# Altium PCB MIXR Input and Processing.PcbDoc (part 1 of 3) (continued)
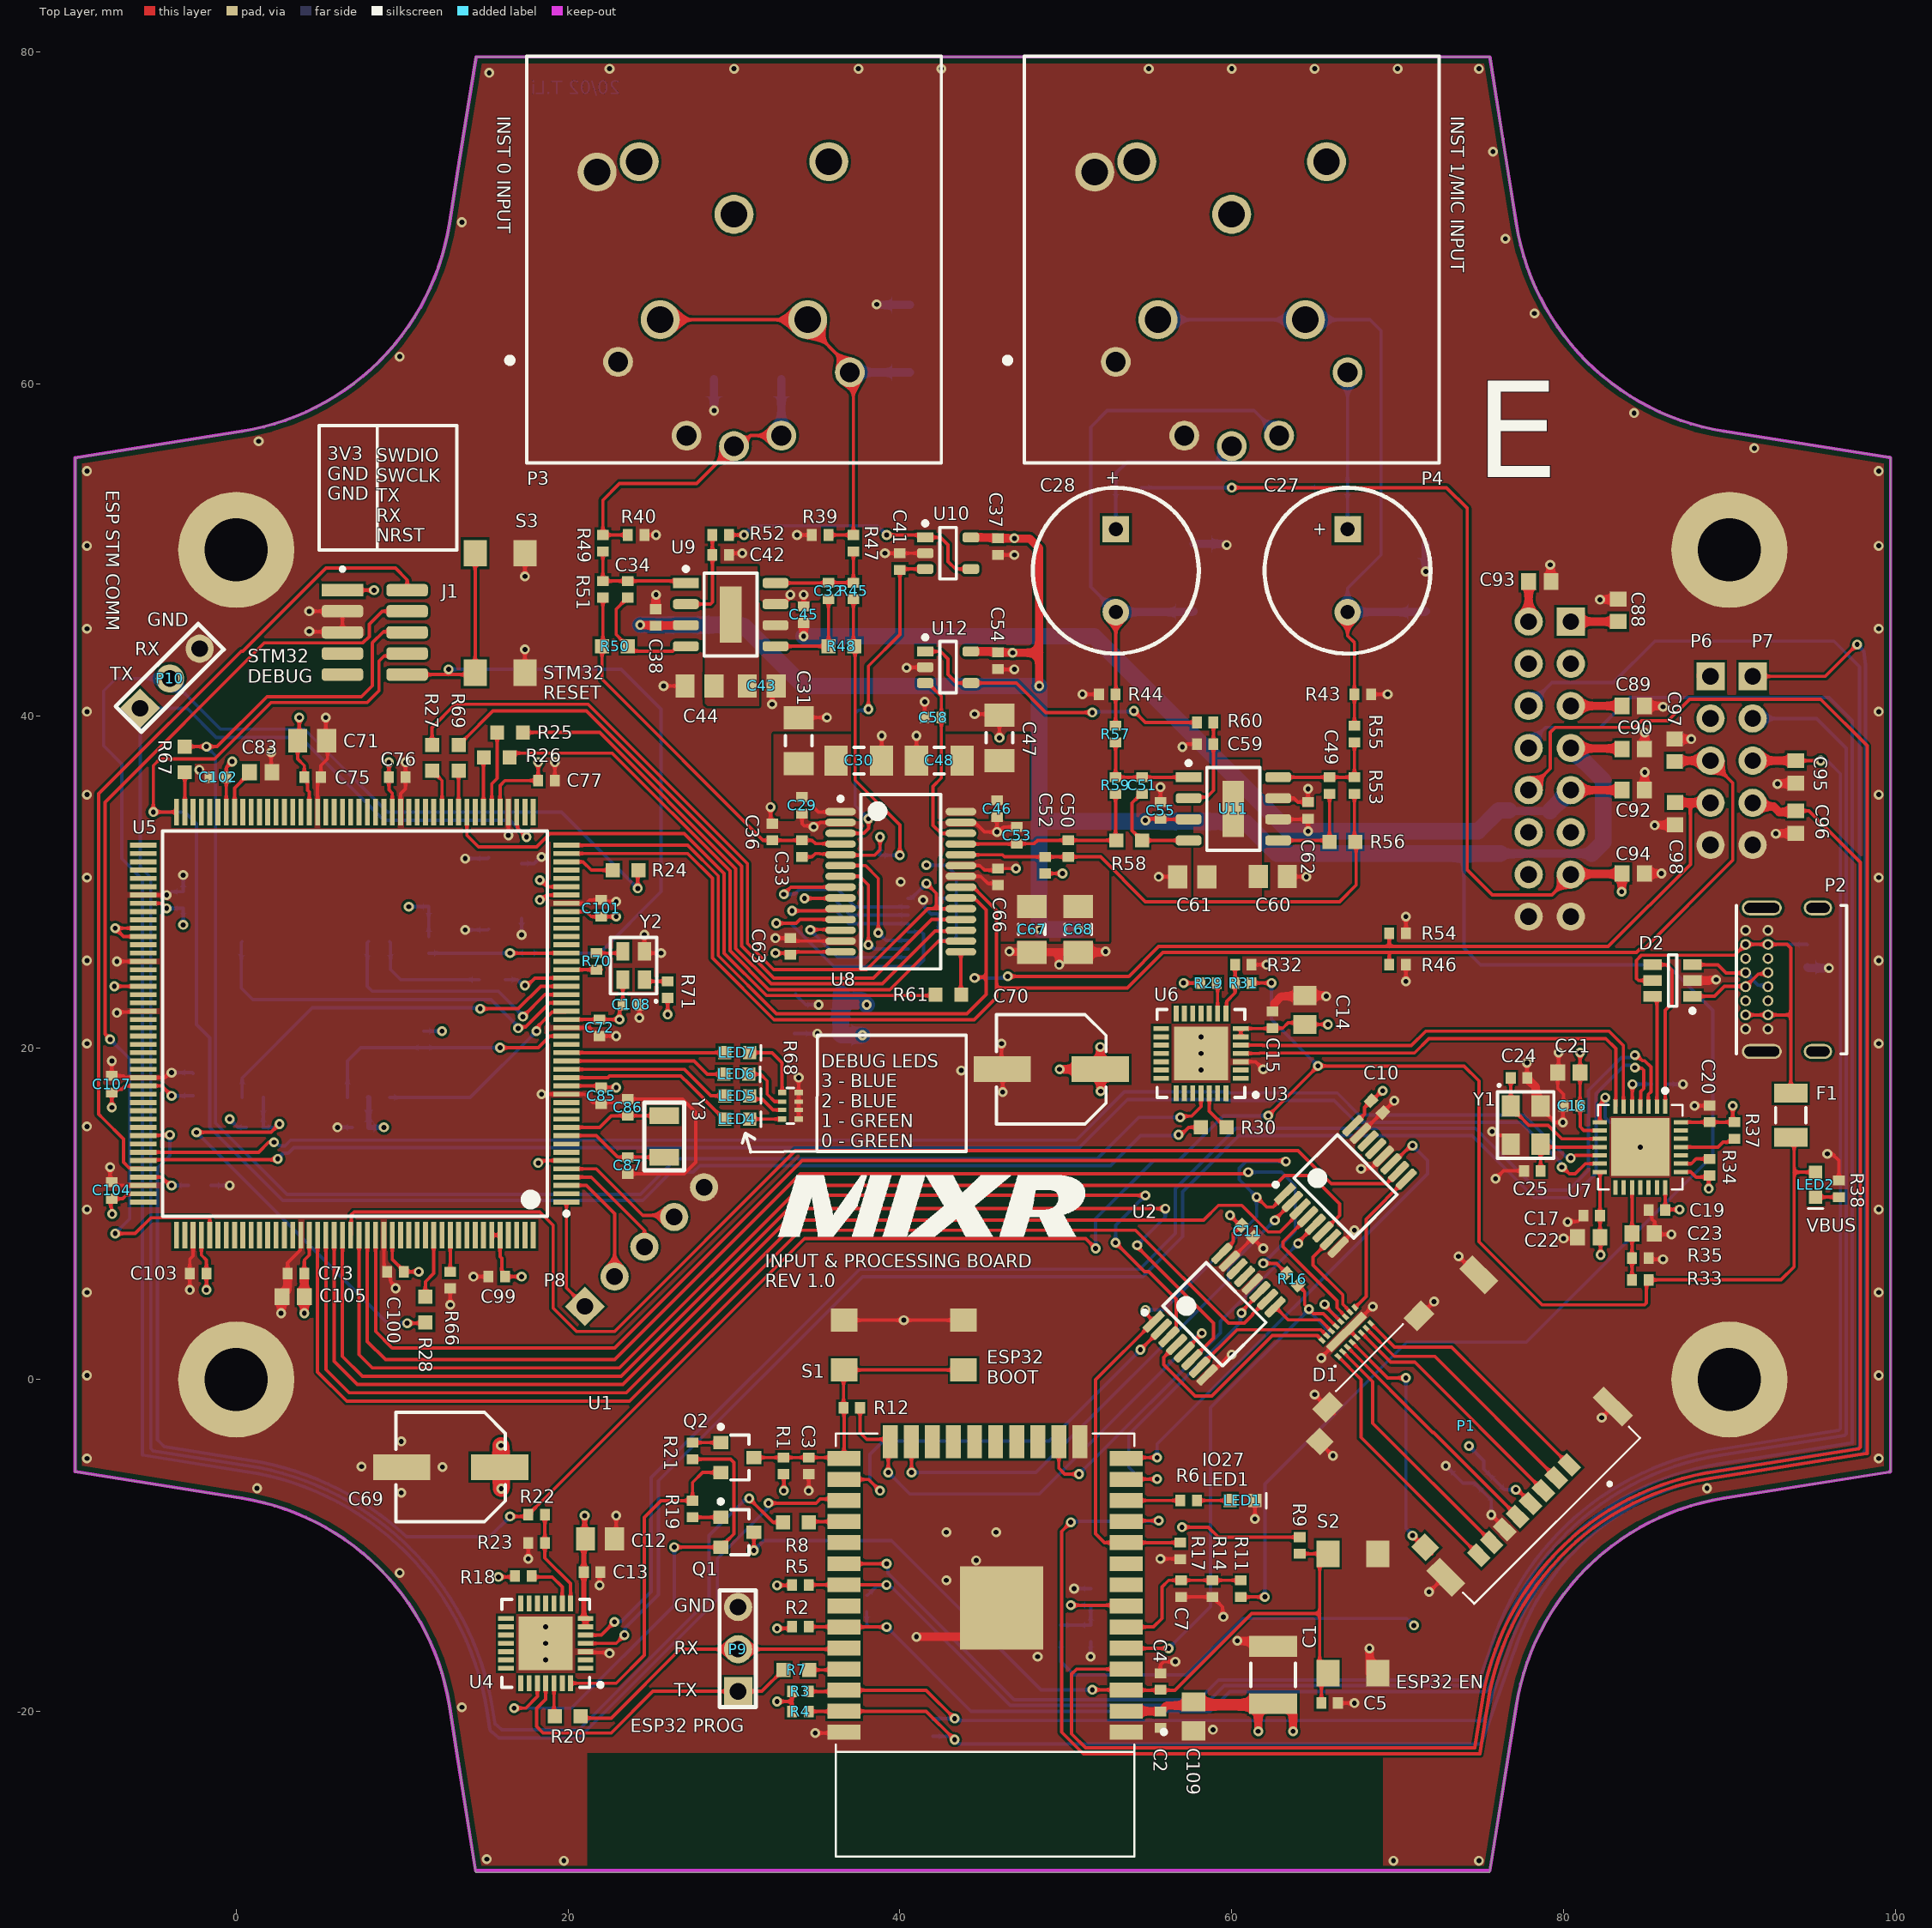
[diagram p0: Top Layer view]
## Components (designator, comment, footprint, x,y, rotation, side; value= is the part's Value field where it differs from the comment) (continued)
R6 "RES 4.7K OHM 1% 1/10W 0402" "RES 0402" 56.9,-7.29 r0 top
R7 "RES 22.1 OHM 1% 1/10W 0603" "RES, 0603" 33.75,-17.5 r0 top
R8 "RES 22.1 OHM 1% 1/10W 0603" "RES, 0603" 33.725,-8.6 r0 top
R9 "RES 10K OHM 1% 1/16W 0402" "RES 0402" 64.1,-9.5 r270 top
R10 "RES 523K OHM 1% 1/16W 0402" "RES 0402" 49.7,-15.8 r90 bottom
R11 "RES 22.1K OHM 1% 1/16W 0402" "RES 0402" 60.55,-13.1 r90 top
R12 "RES 0.0 OHM 1% 1/16W 0402" "RES 0402" 36.6,-1.7 r0 top
R13 "RES 22.1K OHM 1% 1/16W 0402" "RES 0402" 51.5,-14.8 r270 bottom
R14 "RES 22.1K OHM 1% 1/16W 0402" "RES 0402" 58.85,-12.1 r270 top
R15 "RES 10K OHM 1% 1/16W 0402" "RES 0402" 65.873,2.782 r45 bottom
R16 "RES 0.0 OHM 1% 1/16W 0402" "RES 0402" 63.293,6.407 r315 top
R17 "RES 10K OHM 1% 1/16W 0402" "RES 0402" 56.9,-10.83 r90 top
R18 "RES 1K OHM 0.1% 1/16W 0402" "RES 0402" 16.8,-11.85 r0 top
R19 "RES 10K OHM 1% 1/16W 0402" "RES 0402" 27.5,-7.3 r270 top
R20 "RES 22.1 OHM 1% 1/10W 0603" "RES, 0603" 19.975,-20.3 r0 top
R21 "RES 10K OHM 1% 1/16W 0402" "RES 0402" 27.5,-4.8 r90 top
R22 "RES 22.1K OHM 1% 1/16W 0402" "RES 0402" 17.6,-8.15 r0 top
R23 "RES 47.5K OHM 1% 1/16W 0402" "RES 0402" 18.6,-9.85 r180 top
R24 "RES 22.1 OHM 1% 1/10W 0603" "RES, 0603" 23.475,30.7 r180 top
R25 "RES 22.1 OHM 1% 1/10W 0603" "RES, 0603" 16.5,39 r180 top
R26 "RES 22.1 OHM 1% 1/10W 0603" "RES, 0603" 15.7,37.5 r180 top
R27 "RES 22.1 OHM 1% 1/10W 0603" "RES, 0603" 11.8,37.475 r270 top
R28 "RES 22.1 OHM 1% 1/10W 0603" "RES, 0603" 11.4,4.225 r90 top
R29 "RES 1K OHM 0.1% 1/16W 0402" "RES 0402" 58.1,23.9 r0 top
R30 "RES 22.1 OHM 1% 1/10W 0603" "RES, 0603" 58.925,15.2 r180 top
R31 "RES 22.1K OHM 1% 1/16W 0402" "RES 0402" 61.2,23.9 r180 top
R32 "RES 47.5K OHM 1% 1/16W 0402" "RES 0402" 60.2,25 r0 top
R33 "RES 10K OHM 1% 1/16W 0402" "RES 0402" 85.13,6.01 r180 top
R34 "RES 10K OHM 1% 1/16W 0402" "RES 0402" 88.8,12.3 r90 top
R35 "RES 47.5K OHM 1% 1/16W 0402" "RES 0402" 84.13,7.31 r0 top
R36 "RES 649 OHM 1% 1/16W 0402" "RES 0402" 83.53,15.51 r0 bottom
R37 "RES 10K OHM 1% 1/16W 0402" "RES 0402" 90.3,15.51 r270 top
R38 "RES 10K OHM 1% 1/16W 0402" "RES 0402" 96.6,11 r90 top
R39 "RES 4.7K OHM 1% 1/10W 0402" "RES 0402" 35.7,50.9 r180 top
R40 "RES 4.7K OHM 1% 1/10W 0402" "RES 0402" 23.6,50.9 r0 top
R41 "RES 6.81k OHM 0.1% 1/10W 0603" "RES, 0603" 66.21,53.75 r0 bottom
R42 "RES 6.81k OHM 0.1% 1/10W 0603" "RES, 0603" 53.79,53.75 r180 bottom
R43 "RES 4.7K OHM 1% 1/10W 0402" "RES 0402" 67.4,41.3 r0 top
R44 "RES 4.7K OHM 1% 1/10W 0402" "RES 0402" 53,41.3 r180 top
R45 "RES 1K OHM 0.1% 1/16W 0402" "RES 0402" 37.2,48.025 r270 top
R46 "RES 10K OHM 1% 1/16W 0402" "RES 0402" 69.5,25 r0 top
R47 "RES 270 OHM 0.1% 1/16W 0402" "RES 0402" 37.2,50.9 r270 top
R48 "RES 40.2 OHM 0.5% 1/10W 0603" "RES, 0603" 36.475,44.195 r0 top
R49 "RES 270 OHM 0.1% 1/16W 0402" "RES 0402" 22.1,50.9 r270 top
R50 "RES 40.2 OHM 0.5% 1/10W 0603" "RES, 0603" 22.825,44.195 r180 top
R51 "RES 1K OHM 0.1% 1/16W 0402" "RES 0402" 22.1,48.125 r270 top
R52 "RES 1K OHM 0.1% 1/16W 0402" "RES 0402" 28.7,50.9 r0 top
R53 "RES 1K OHM 0.1% 1/16W 0402" "RES 0402" 67.4,36.3 r270 top
R54 "RES 10K OHM 1% 1/16W 0402" "RES 0402" 69.5,26.9 r0 top
R55 "RES 270 OHM 0.1% 1/16W 0402" "RES 0402" 67.4,39.4 r270 top
R56 "RES 40.2 OHM 0.5% 1/10W 0603" "RES, 0603" 66.675,32.4 r0 top
R57 "RES 270 OHM 0.1% 1/16W 0402" "RES 0402" 53,39.4 r270 top
R58 "RES 40.2 OHM 0.5% 1/10W 0603" "RES, 0603" 53.825,32.49 r180 top
R59 "RES 1K OHM 0.1% 1/16W 0402" "RES 0402" 53,36.3 r270 top
R60 "RES 1K OHM 0.1% 1/16W 0402" "RES 0402" 58.9,39.6 r180 top
R61 "RES 22.1 OHM 1% 1/10W 0603" "RES, 0603" 42.925,23.2 r180 top
R62 "RES ARRAY 10K OHM 5% 8RES" "RES ARRAY, 8 POS 1506" 41.427,27.222 r0 bottom value=Value
R63 "RES 0.0 OHM 1% 1/16W 0402" "RES 0402" 38,-14 r90 bottom
R64 "RES 0.0 OHM 1% 1/16W 0402" "RES 0402" 42,-20.5 r270 bottom
R65 "RES 10K OHM 1% 1/16W 0402" "RES 0402" 11.6,26.7 r270 bottom
R66 "RES 10K OHM 1% 1/16W 0402" "RES 0402" 12.9,6.5 r270 top
R67 "RES 22.1 OHM 1% 1/10W 0603" "RES, 0603" -3.1,37.375 r270 top
R68 "RES ARRAY 510 OHM 5% 4RES" "RES ARRAY 4 POS 0804" 34.4,16.25 r0 top
R69 "RES 22.1 OHM 1% 1/10W 0603" "RES, 0603" 13.4,37.475 r270 top
R70 "RES 100 OHM 1% 1/16W 0402" "RES 0402" 21.7,25.7 r270 top
R71 "RES 10K OHM 1% 1/16W 0402" "RES 0402" 26,23 r90 top
R72 "RES 22.1 OHM 1% 1/10W 0603" "RES, 0603" 15.425,24.1 r180 bottom
R73 "RES 10K OHM 1% 1/16W 0402" "RES 0402" 0.6,15.2 r0 bottom
R74 "RES 10K OHM 1% 1/16W 0402" "RES 0402" 11.3,21 r270 bottom
S1 "SPST" "SW SPST-NO 0.05A 12V" 36.635,0.579 r0 top
S2 "SPST" "SW SPST-NO 0.05A 12V" 65.8,-10.5 r270 top
S3 "SPST" "SW SPST-NO 0.05A 12V" 14.4,49.8 r270 top
U1 "ESP32-WROOM-32D" "IC WIFI MODULE 32MBITS SPI FLASH" 45.135,-16 r180 top locked
U2 "IC MUX/DEMUX 4-BIT 1-OF-2 16-TSSOP" TSOP65P640X120-16N 58.96,3.939 r45 top
U3 "IC MUX/DEMUX 4-BIT 1-OF-2 16-TSSOP" TSOP65P640X120-16N 66.861,11.64 r45 top
U4 "IC BRIDGE USB TO UART 28QFN" QFN50P500X500X80_HS-29M 18.65,-15.9 r180 top
U5 "IC MCU STM32F769II 176-LQFP" TSQFP50P2600X2600X160-176M 7.15,21.45 r180 top locked
U6 "IC BRIDGE USB TO UART 28QFN" QFN50P500X500X80_HS-29M 58.15,19.655 r180 top
U7 "IC USB 2.0 HUB CONTROLLER 28QFN" QFN50P500X500X80-29N 86.13,16.445 r270 top
U8 "IC ADC/AUDIO 24BIT 216K 28SSOP" "IC ADC 24 BIT AUDIO 216 KHZ SSOP-28" 40.05,30 r0 top
U9 "LME49724" "IC OP AMP AUDIO LME49724 8-SOIC" 29.8,46.1 r0 top
U10 "IC OP AMP GEN PURPOSE RR 5.5MHZ SOT-23-5" "IC OP AMP GP RR 10MHZ SOT-23-5" 42.9,49.8 r0 top
U11 "LME49724" "IC OP AMP AUDIO LME49724 8-SOIC" 60.1,34.395 r0 top
U12 "IC OP AMP GEN PURPOSE RR 5.5MHZ SOT-23-5" "IC OP AMP GP RR 10MHZ SOT-23-5" 42.9,42.93 r0 top
U13 "IC FLASH NOR 512Mb SPI 166MHz 16-SOP" SOP127P1030X265-16N 4.8,21.7 r90 bottom
Y1 "12 MHz" "CRYSTAL ECX-32" 77.72,15.33 r270 top
Y2 "CRYSTAL 25 MHz OSC XO CMOS SMD" "CRYSTAL 25 MHz OSC XO CMOS SMD" 24.6,24.1 r90 top
Y3 "CRYSTAL 32.7680 KHZ 6PF 2-SMD" "CRYSTAL 32.7680 KHZ 6PF 2-SMD" 25.8,15.9 r270 top

## Footprints (in the part's own frame and the unit in brackets; to place one, negate y for a bottom-side part, rotate by r counter-clockwise, add the part's x,y. Pads: shape width x height; smd on the part's side, far side on the other; paste and mask are expansions set on the pad)
"CAP 0402" [mm]
  rect 0.6x0.7 smd: 1(0,0) 2(1,0)
  body extent 0,-0.25 1,0.27, height 0.51
"CAP ALUM 6.3MM RADIAL SMD" [mm] "Aluminum Electrolytic Capacitor, Body 6.50x6.50x5.50mm, IPC Low Density"
  rect 3.45x1.55 smd: 1(-2.95,0) 2(2.95,0)
  silkscreen extent -3.3,-3.3 3.3,3.3, body extent -3.9,-3.3 3.9,3.3, height 5.5
"CAP ALUM RADIAL 10x20" [mm]
  rect 1.6x1.6 hole 0.85: 1(0,0)
  round 1.6 hole 0.85: 2(5,0)
  silkscreen extent -2.5,-5 7.5,5, body extent -2.5,-5 7.5,5, height 20
"CAP, 0603" [mm] "Chip Capacitor, 2-Leads, Body 1.60x0.81mm, IPC Medium Density"
  rect 0.9x1 smd mask+0.076: 1(-0.675,0) 2(0.675,0)
  body extent -0.87,-0.48 0.87,0.48, height 0.9
"CAP, 0805" [mm] "Chip Capacitor, 2-Leads, Body 2.00x1.25mm, IPC Medium Density"
  rect 1.15x1.4 smd: 1(-0.875,0) 2(0.875,0)
  body extent -1,-0.62 1,0.62, height 1.25
"CAP, 1206" [mm] "Chip Capacitor, 2-Leads, Body 3.20x1.60mm, IPC Medium Density"
  rect 1.4x1.8 smd: 1(-1.375,0) 2(1.375,0)
  silkscreen extent -0.3,-0.8 0.3,0.8, body extent -1.68,-0.87 1.67,0.87, height 1.8
"CAP, 1210" [mm] "Chip Capacitor, 2-Leads, Body 3.20x2.50mm, IPC Low Density"
  rect 1.25x2.9 smd: 1(-1.725,0) 2(1.725,0)
  silkscreen extent -0.7,-1.35 0.7,1.35, body extent -1.8,-1.4 1.8,1.4, height 2.8
"CONN MICRO-SD HOLDER MOLEX 503182-1852" [mm]
  rect 0.8x1.24 smd: 1(-2.9,6.355) 2(-1.8,6.355) 3(-0.7,6.355) 4(0.4,6.355) 5(1.5,6.355) 6(2.6,6.355) 7(3.7,6.355) 8(4.8,6.355)
  rect 1.16x1.25 smd: 9(6.74,3.725)
  rect 1.16x1.2 smd: 10(6.74,-5.275)
  rect 0.95x2.5 smd: 11(-7.245,5.725)
  rect 1.15x2.2 smd: 11(-7.145,-5.605) 11(7.145,5.875)
  rect 1.5x1.15 smd: 11(-2.84,-6.4) 11(4.94,-6.4)
  silkscreen extent -7.07,-6.73 7.07,8.99, body extent -7.47,-6.5 7.47,8.45, height 1.43
"CONN RECPT USB2.0 TYPE C 16-POS" [mm] "USB 2.0 Type C Receptacle Dip Type, PCB Top Mount"
  round 0.65 hole 0.4: A1(-2.975,4.025) A4(-2.125,4.025) A5(-1.275,4.025) A6(-0.425,4.025) A7(0.425,4.025) A8(1.275,4.025) A9(2.125,4.025) A12(2.975,4.025) B1(2.975,2.675) B4(2.125,2.675) B5(1.275,2.675) B6(0.425,2.675) B7(-0.425,2.675) B8(-1.275,2.675) B9(-2.125,2.675) B12(-2.975,2.675)
  oval 0.9x2.4 hole 0.6 slot 2.1 at 90 deg: P1(-4.325,3.045) P2(4.325,3.045)
  oval 0.9x1.7 hole 0.6 slot 1.4 at 90 deg: P3(4.325,-0.335) P4(-4.325,-0.335)
  silkscreen extent -4.47,-2.07 4.47,4.58, body extent -4.51,-4.56 4.52,4.61, height 3.46
"CONN XLR-TRS COMBO 3 POLE" [mm]
  round 1.8 hole 1.2: 1(-6.985,-18.415) 2(6.985,-19.05) 3(0,-23.495) 4(-2.858,-22.86) 5(2.857,-22.86)
  round 2.35 hole 1.6: 6(-4.445,-15.875) 7(4.445,-15.875) 8(-8.255,-6.985) 9(-5.715,-6.35) 10(0,-9.525) 11(5.715,-6.35)
  silkscreen extent -13.65,-24.5 12.5,0, body extent -12.3,-24.8 12.7,8.05, height 29.12
"CONN, 3POS 0.100\" Header, 1 ROW" [mm] "Connector, 3 position 0.1\" (2.54mm) Through Hole Generic Header"
  rect 1.7x1.7 hole 1: 1(0,0)
  round 1.7 hole 1: 2(2.54,0) 3(5.08,0)
  silkscreen extent -0.95,-1.06 6.08,1.12
"CONN, 5POS 1.23\" 0.100\" MALE Header" [mm]
  rect 1.7x1.7 hole 1: 1(0,0)
  round 1.7 hole 1: 2(2.54,0) 3(5.08,0) 4(7.62,0) 5(10.16,0)
  body extent -1.4,-1.27 11.43,1.27, height 28.45
"CONN, 10POS 0.05\" Debug Header" [mm] "Amphenol 10 Positions Header Connector 0.050\" (1.27mm) Surface Mount Gold"
  rect 0.75x2.5 smd: 1(0,0)
  rrect50% 0.75x2.5 smd: 2(0,3.9) 3(1.27,0) 4(1.27,3.9) 5(2.54,0) 6(2.54,3.9) 7(3.81,0) 8(3.81,3.9) 9(5.08,0) 10(5.08,3.9)
  silkscreen extent -1.37,-0.1 -1.17,0.1, body extent -0.63,-0.84 5.72,4.66, height 4.5
"CONN, 16POS 0.100\" 0.73\" MALE" [mm]
  rect 1.7x1.7 hole 1: 1(0,0)
  round 1.7 hole 1: 2(2.54,0) 3(5.08,0) 4(7.62,0) 5(10.16,0) 6(12.7,0) 7(15.24,0) 8(17.78,0) 9(17.78,2.54) 10(15.24,2.54) 11(12.7,2.54) 12(10.16,2.54) 13(7.62,2.54) 14(5.08,2.54) 15(2.54,2.54) 16(0,2.54)
  body extent -1.27,-1.27 19.05,3.81, height 15.75
"CRYSTAL 25 MHz OSC XO CMOS SMD" [mm]
  rect 1.1x0.8 smd: 1(0,0) 2(1.7,0) 3(1.7,1.3) 4(0,1.3)
  silkscreen extent -1.35,-0.75 2.55,2.05, body extent -0.4,-0.35 2.1,1.65, height 0.5
"CRYSTAL 32.7680 KHZ 6PF 2-SMD" [mm]
  rect 1x1.8 smd: 1(0,0) 2(2.5,0)
  silkscreen extent -0.8,-1.2 3.3,1.2, body extent -0.35,-0.75 2.85,0.75, height 0.8
"CRYSTAL ECX-32" [mm]
  rect 1.3x1.1 smd: 1(-1.15,-0.9) 2(1.15,-0.9) 3(1.15,0.9) 4(-1.15,0.9)
  silkscreen extent -2.45,-1.7 2,1.7, body extent -1.6,-1.24 1.6,1.24, height 0.8
"DO-214AA Diode - BI" [mil] "Zener Diode 16V 5W SMBJ5353B-TP"
  rect 70x85 smd: 1(0,0) 2(160,0)
  body extent -21,-60 187,55, height 95
"FB 0603" [mm] "Ferrite Bead, 0603"
  rect 0.6x0.8 smd: 1(-0.7,0) 2(0.7,0)
  silkscreen extent -0.1,-0.3 0.1,0.3, body extent -0.72,-0.48 0.73,0.47, height 0.95
"FUSE LITTLEFUSE 0466 1206" [mm]
  rect 1.14x2.03 smd: 1(-1.33,0) 2(1.33,0)
  silkscreen extent -0.45,-0.91 0.45,0.91, body extent -1.65,-0.82 1.65,0.82, height 0.6
"IC ADC 24 BIT AUDIO 216 KHZ SSOP-28" [mm] "SOP, 28-Leads, Body 10.20x5.30mm, Pitch 0.65mm, IPC Medium Density"
  oval 1.85x0.45 smd: 1(-3.625,4.225) 2(-3.625,3.575) 3(-3.625,2.925) 4(-3.625,2.275) 5(-3.625,1.625) 6(-3.625,0.975) 7(-3.625,0.325) 8(-3.625,-0.325) 9(-3.625,-0.975) 10(-3.625,-1.625) 11(-3.625,-2.275) 12(-3.625,-2.925) 13(-3.625,-3.575) 14(-3.625,-4.225) 15(3.625,-4.225) 16(3.625,-3.575) 17(3.625,-2.925) 18(3.625,-2.275) 19(3.625,-1.625) 20(3.625,-0.975) 21(3.625,-0.325) 22(3.625,0.325) 23(3.625,0.975) 24(3.625,1.625) 25(3.625,2.275) 26(3.625,2.925) 27(3.625,3.575) 28(3.625,4.225)
  silkscreen extent -3.75,-5.25 2.4,5.25, body extent -3.9,-5.25 3.9,5.25, height 2
"IC OP AMP AUDIO LME49724 8-SOIC" [mm]
  rect 1.55x0.6 smd: 1(-2.7,1.905)
  rrect50% 1.55x0.6 smd: 2(-2.7,0.635) 3(-2.7,-0.635) 4(-2.7,-1.905) 5(2.7,-1.905) 6(2.7,-0.635) 7(2.7,0.635) 8(2.7,1.905)
  rect 1.3x3.4 smd: 9(0,0)
  silkscreen extent -2.82,-2.5 1.6,2.88, body extent -3,-2.5 3,2.5, height 1.7
"IC OP AMP GP RR 10MHZ SOT-23-5" [mm] "SOT23, 5-Leads, Body 2.90x2.80mm, Pitch 0.95mm, IPC Medium Density"
  rect 1x0.6 smd: 1(-1.375,0.95)
  rrect50% 1x0.6 smd: 2(-1.375,0) 3(-1.375,-0.95) 4(1.375,-0.95) 5(1.375,0.95)
  silkscreen extent -1.5,-1.55 0.5,1.92, body extent -1.5,-1.53 1.5,1.53, height 1.45
"IC WIFI MODULE 32MBITS SPI FLASH" [mm]
  rect 2x0.9 smd: 1(-8.5,5.26) 2(-8.5,3.99) 3(-8.5,2.72) 4(-8.5,1.45) 5(-8.5,0.18) 6(-8.5,-1.09) 7(-8.5,-2.36) 8(-8.5,-3.63) 9(-8.5,-4.9) 10(-8.5,-6.17) 11(-8.5,-7.44) 12(-8.5,-8.71) 13(-8.5,-9.98) 14(-8.5,-11.25) 25(8.5,-11.25) 26(8.5,-9.98) 27(8.5,-8.71) 28(8.5,-7.44) 29(8.5,-6.17) 30(8.5,-4.9) 31(8.5,-3.63) 32(8.5,-2.36) 33(8.5,-1.09) 34(8.5,0.18) 35(8.5,1.45) 36(8.5,2.72) 37(8.5,3.99) 38(8.5,5.26)
  rect 0.9x2 smd: 15(-5.715,-12.25) 16(-4.445,-12.25) 17(-3.175,-12.25) 18(-1.905,-12.25) 19(-0.635,-12.25) 20(0.635,-12.25) 21(1.905,-12.25) 22(3.175,-12.25) 23(4.445,-12.25) 24(5.715,-12.25)
  rect 5x5 smd: 39(-1,-2.24)
  silkscreen extent -10.88,-12.75 9,12.75, body extent -9,-12.75 9,12.75, height 3.25
LED_0603 [mm]
  rect 0.8x0.8 smd: 1(-0.05,0.01) 2(1.45,0.01)
  silkscreen extent 2.13,-0.46 2.13,0.45, body extent -0.09,-0.39 1.51,0.41, height 0.8
"MOSFET N-CH 30V 6.2A 0.9W SOT-23" [mm] "SOT23, 3-Leads, Body 2.90x2.40mm, Pitch 0.90mm, IPC Medium Density"
  rect 0.9x0.8 smd: 1(-1,0.9) 2(-1,-0.9) 3(1,0)
  silkscreen extent -1.12,-1.35 0.7,1.97, body extent -1.25,-1.5 1.25,1.5, height 1.1
QFN0P135X330X55_HS-17M [mm] "QFN, 16-Leads, Body 1.35x3.30mm, Pitch 0.00mm/0.40mm, Thermal Pad 0.50x3.00mm, IPC Low Density"
  rect 0.4x0.25 smd: 1(-0.675,1.4) 2(-0.675,1) 3(-0.675,0.6) 4(-0.675,0.2) 5(-0.675,-0.2) 6(-0.675,-0.6) 7(-0.675,-1) 8(-0.675,-1.4) 9(0.675,-1.4) 10(0.675,-1) 11(0.675,-0.6) 12(0.675,-0.2) 13(0.675,0.2) 14(0.675,0.6) 15(0.675,1) 16(0.675,1.4)
  rect 0.5x3 smd: 17(0,0)
  silkscreen extent -1.02,1.9 -0.93,2, body extent -0.68,-1.65 0.68,1.65, height 0.55
QFN50P500X500X80-29N [mm]
  rect 0.86x0.26 smd: 1(0,0) 2(0,-0.5) 3(0,-1) 4(0,-1.5) 5(0,-2) 6(0,-2.5) 7(0,-3) 15(4.87,-3) 16(4.87,-2.5) 17(4.87,-2) 18(4.87,-1.5) 19(4.87,-1) 20(4.87,-0.5) 21(4.87,0)
  rect 0.26x0.86 smd: 8(0.935,-3.935) 9(1.435,-3.935) 10(1.935,-3.935) 11(2.435,-3.935) 12(2.935,-3.935) 13(3.435,-3.935) 14(3.935,-3.935) 22(3.935,0.935) 23(3.435,0.935) 24(2.935,0.935) 25(2.435,0.935) 26(1.935,0.935) 27(1.435,0.935) 28(0.935,0.935)
  rect 3.5x3.5 smd: 29(2.435,-1.5)
  silkscreen extent -1.06,-4.05 4.98,1.05, body extent -0.11,-4.06 5,1.05, height 0.81
QFN50P500X500X80_HS-29M [mm] "QFN, 28-Leads, Body 5.00x5.00mm, Pitch 0.50mm, Thermal Pad 3.25x3.25mm, IPC Low Density"
  rect 0.95x0.3 smd: 1(-2.4,1.5) 2(-2.4,1) 3(-2.4,0.5) 4(-2.4,0) 5(-2.4,-0.5) 6(-2.4,-1) 7(-2.4,-1.5) 15(2.4,-1.5) 16(2.4,-1) 17(2.4,-0.5) 18(2.4,0) 19(2.4,0.5) 20(2.4,1) 21(2.4,1.5)
  rect 0.3x0.95 smd: 8(-1.5,-2.4) 9(-1,-2.4) 10(-0.5,-2.4) 11(0,-2.4) 12(0.5,-2.4) 13(1,-2.4) 14(1.5,-2.4) 22(1.5,2.4) 23(1,2.4) 24(0.5,2.4) 25(0,2.4) 26(-0.5,2.4) 27(-1,2.4) 28(-1.5,2.4)
  rect 3.25x3.25 smd: 29(0,0)
  silkscreen extent -3.43,-2.65 2.65,2.65, body extent -2.5,-2.5 2.5,2.5, height 0.8
"RES 0402" [mm]
  rect 0.6x0.7 smd: 1(0,0) 2(1,0)
  body extent -0.05,-0.25 1.05,0.25, height 0.32
"RES ARRAY 4 POS 0804" [mm] "Panasonic Electronic Components EXB-N8V511JX"
  rect 0.5x0.35 smd: 1(-1.5,1.05) 4(-1.5,-0.55) 5(-0.5,-0.55) 8(-0.5,1.05)
  rect 0.5x0.25 smd: 2(-1.5,0.5) 3(-1.5,0) 6(-0.5,0) 7(-0.5,0.5)
  silkscreen extent -1.22,-0.82 -0.78,1.33, body extent -1.5,-0.75 -0.5,1.25, height 0.36
"RES ARRAY, 8 POS 1506" [mil]
  rect 30x14 smd: 1(-36.5,70) 2(-36.5,50) 3(-36.5,30) 4(-36.5,10) 5(-36.5,-10) 6(-36.5,-30) 7(-36.5,-50) 8(-36.5,-70) 9(36.5,-70) 10(36.5,-50) 11(36.5,-30) 12(36.5,-10) 13(36.5,10) 14(36.5,30) 15(36.5,50) 16(36.5,70)
  silkscreen extent -9,-80 9,80, body extent -21,-77 21,77, height 18
"RES, 0603" [mm] "Chip Resistor, 2-Leads, Body 1.60x0.80mm, IPC Medium Density"
  rect 0.85x0.85 smd: 1(-0.775,0) 2(0.775,0)
  body extent -0.8,-0.4 0.8,0.4, height 0.55
SOP127P1030X265-16N [mm] "SOP, 16-Leads, Body 10.30x7.51mm, Pitch 1.27mm, IPC Medium Density"
  rect 1.8x0.6 smd: 1(-4.7,4.445)
  oval 1.8x0.6 smd: 2(-4.7,3.175) 3(-4.7,1.905) 4(-4.7,0.635) 5(-4.7,-0.635) 6(-4.7,-1.905) 7(-4.7,-3.175) 8(-4.7,-4.445) 9(4.7,-4.445) 10(4.7,-3.175) 11(4.7,-1.905) 12(4.7,-0.635) 13(4.7,0.635) 14(4.7,1.905) 15(4.7,3.175) 16(4.7,4.445)
  silkscreen extent -4.82,-5.25 3.4,5.42, body extent -5.15,-5.25 5.15,5.25, height 2.65
SOT23-6 [mm]
  rect 1.1x0.65 smd: 1(-1.229,0.955) 2(-1.229,0.005) 3(-1.229,-0.945) 4(1.171,-0.945) 5(1.171,0.005) 6(1.171,0.955)
  silkscreen extent -1.35,-1.54 0.22,1.95, body extent -1.52,-1.37 1.53,1.38, height 1.1
"SW SPST-NO 0.05A 12V" [mm]
  rect 1.6x1.4 smd: 1(0,0) 1(7.2,0) 2(0,3) 2(7.2,3)
  body extent 0,-0.75 7.5,3.75, height 3.7
TSOP65P640X120-16N [mm] "TSOP, 16-Leads, Body 5.00x4.40mm, Pitch 0.65mm, IPC Medium Density"
  rect 1.5x0.45 smd: 1(-2.9,2.275)
  rrect50% 1.5x0.45 smd: 2(-2.9,1.625) 3(-2.9,0.975) 4(-2.9,0.325) 5(-2.9,-0.325) 6(-2.9,-0.975) 7(-2.9,-1.625) 8(-2.9,-2.275) 9(2.9,-2.275) 10(2.9,-1.625) 11(2.9,-0.975) 12(2.9,-0.325) 13(2.9,0.325) 14(2.9,0.975) 15(2.9,1.625) 16(2.9,2.275)
  silkscreen extent -3.02,-2.55 1.85,3.17, body extent -3.2,-2.55 3.2,2.55, height 1.2
TSQFP50P2600X2600X160-176M [mm] "TSQFP, 176-Leads, Body 24.00x24.00mm, Pitch 0.50mm, IPC Low Density"
  rect 1.6x0.3 smd: 1(-12.75,10.75) 2(-12.75,10.25) 3(-12.75,9.75) 4(-12.75,9.25) 5(-12.75,8.75) 6(-12.75,8.25) 7(-12.75,7.75) 8(-12.75,7.25) 9(-12.75,6.75) 10(-12.75,6.25) 11(-12.75,5.75) 12(-12.75,5.25) 13(-12.75,4.75) 14(-12.75,4.25) 15(-12.75,3.75) 16(-12.75,3.25) 17(-12.75,2.75) 18(-12.75,2.25) 19(-12.75,1.75) 20(-12.75,1.25) 21(-12.75,0.75) 22(-12.75,0.25) 23(-12.75,-0.25) 24(-12.75,-0.75) 25(-12.75,-1.25) 26(-12.75,-1.75) 27(-12.75,-2.25) 28(-12.75,-2.75) 29(-12.75,-3.25) 30(-12.75,-3.75) 31(-12.75,-4.25) 32(-12.75,-4.75) 33(-12.75,-5.25) 34(-12.75,-5.75) 35(-12.75,-6.25) 36(-12.75,-6.75) 37(-12.75,-7.25) 38(-12.75,-7.75) 39(-12.75,-8.25) 40(-12.75,-8.75) 41(-12.75,-9.25) 42(-12.75,-9.75) 43(-12.75,-10.25) 44(-12.75,-10.75) 89(12.75,-10.75) 90(12.75,-10.25) 91(12.75,-9.75) 92(12.75,-9.25) 93(12.75,-8.75) 94(12.75,-8.25) 95(12.75,-7.75) 96(12.75,-7.25) 97(12.75,-6.75) 98(12.75,-6.25) 99(12.75,-5.75) 100(12.75,-5.25) 101(12.75,-4.75) 102(12.75,-4.25) 103(12.75,-3.75) 104(12.75,-3.25) 105(12.75,-2.75) 106(12.75,-2.25) 107(12.75,-1.75) 108(12.75,-1.25) 109(12.75,-0.75) 110(12.75,-0.25) 111(12.75,0.25) 112(12.75,0.75) 113(12.75,1.25) 114(12.75,1.75) 115(12.75,2.25) 116(12.75,2.75) 117(12.75,3.25) 118(12.75,3.75) 119(12.75,4.25) 120(12.75,4.75) 121(12.75,5.25) 122(12.75,5.75) 123(12.75,6.25) 124(12.75,6.75) 125(12.75,7.25) 126(12.75,7.75) 127(12.75,8.25) 128(12.75,8.75) 129(12.75,9.25) 130(12.75,9.75) 131(12.75,10.25) 132(12.75,10.75)